# Altium PCB Dart_Controller_PCB.PcbDoc (continued)
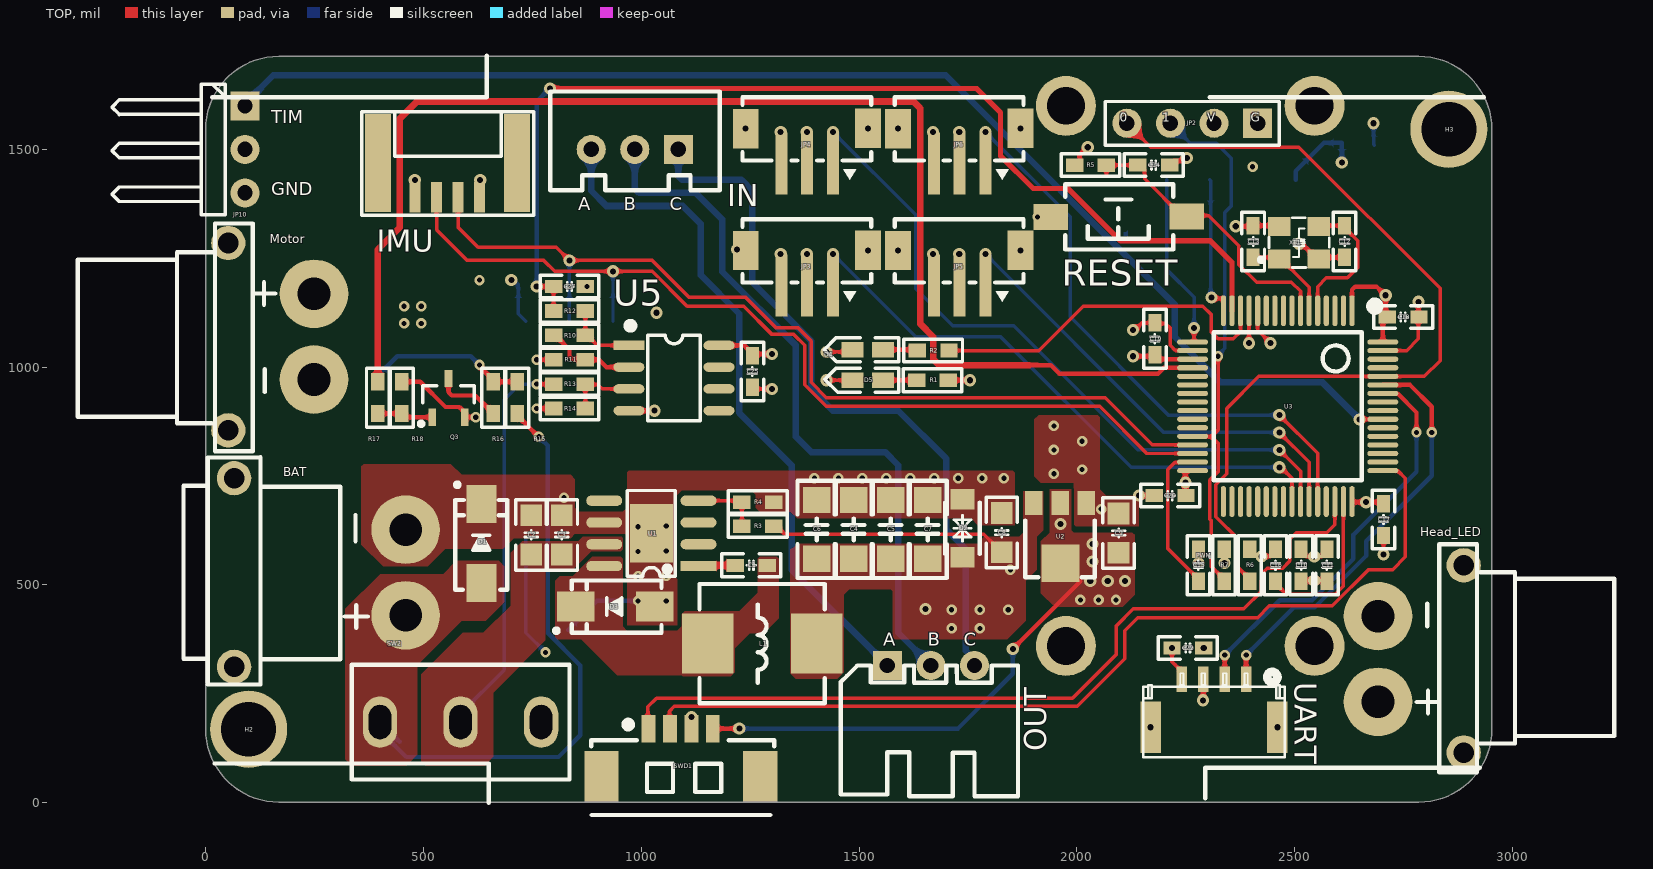
[diagram p0: TOP view]
## Footprints (in the part's own frame and the unit in brackets; to place one, negate y for a bottom-side part, rotate by r counter-clockwise, add the part's x,y. Pads: shape width x height; smd on the part's side, far side on the other; paste and mask are expansions set on the pad) (continued)
SMA [mm] "4.5x2.6*2.2mm（长宽高，不包括引脚）"
  rect 2.2x1.75 smd: 1(-2.3,0) 2(2.3,0)
  silkscreen extent -2.7,-1.52 3.56,1.52, body extent -2.53,-1.3 2.58,1.3, height 2.15
SOD-123FL_L2.8-W1.8-LS3.7-BI [mm]
  rect 1.2x1.4 smd paste+0 mask+0.051: 1(-1.7,0) 2(1.7,0)
  silkscreen extent -1.5,-1 1.5,1, body extent -1.9,-0.8 1.9,0.8, height 1.15
SOP8_N [mm]
  rect 1.8x0.55 smd: 1(-2.625,1.905)
  oval 1.8x0.55 smd: 2(-2.625,0.635) 3(-2.625,-0.635) 4(-2.625,-1.905) 5(2.625,-1.905) 6(2.625,-0.635) 7(2.625,0.635) 8(2.625,1.905)
  silkscreen extent -2.69,-2.5 1.52,3.2, body extent -3,-2.5 3,2.5, height 1.9
SOT23-3L [mm] "3x1.3x1mm(长宽高)    封装库来自淘宝卖家 ID：黄晶宝石"
  rect 0.45x1 smd: 1(-0.95,-1.143) 2(0.95,-1.143) 3(0,1.125)
  silkscreen extent -1.72,-1.65 1.5,0.7, body extent -1.5,-1.2 1.5,1.2, height 1.05
SOT-89 [mil] "封装库来自淘宝卖家 ID：黄晶宝石"
  rect 40x55 smd: 1(-61.82,-0.57) 2(-1.82,-0.57) 3(58.18,-0.57)
  rect 86.61x86.61 smd: 2(-2.76,137.22)
  silkscreen extent -82,39 78,169, body extent -90,-6 87,163, height 59
SW-TH_SS-12D10L5 [mm]
  oval 2x3 hole 1.3 slot 2 at 90 deg paste-2539.97 mask+0.051: 1(-4.7,0) 2(0,0) 3(4.7,0)
  silkscreen extent -6.35,-3.35 6.35,3.35, body extent -6.5,-3.4 6.5,3.4, height 10.1
"TSW SMD-3*6*2.5" [mm] "3*6*2.5mm"
  rect 2x1.5 smd: 1(-3.996,-0.02) 2(3.937,0)
  silkscreen extent -3.21,-1.9 3.09,1.9, body extent -4,-1.88 4,1.62, height 2.59
XH2.54-LI-3P [mm] "接插件，3P  淘宝ID:黄晶宝石   店铺网址:https://shop463601444.taobao.com"
  rect 1.7x1.7 hole 0.9: 1(-2.54,0)
  round 1.7 hole 0.9: 2(0,0) 3(2.54,0)
  silkscreen extent -4.95,-3.38 4.93,2.39, body extent -5.04,-3.3 5.04,2.4, height 7.03
XH2.54-WI-3P [mm] "接插件，3P"
  rect 1.7x1.7 hole 0.9: 1(-2.54,0)
  round 1.7 hole 0.9: 2(0,0) 3(2.54,0)
  silkscreen extent -5.26,-7.62 5.08,0, body extent -5.04,-7.35 5.04,0.35, height 5.73
XT30PW-F [mm]
  round 2 hole 1.2: 0(-5.461,-2.5) 0(5.461,-2.5)
  round 4 hole 1.9: 1(-2.5,2.5) 2(2.5,2.5)
  silkscreen extent -6.6,-11.28 6.68,0.24, body extent -6.62,-11.35 6.68,3.55, height 5
XT30PW-M [mm]
  round 2 hole 1.2: 0(-5.5,-5) 0(5.5,-5)
  round 4 hole 1.9: 1(2.5,5) 2(-2.5,5)
  silkscreen extent -6.73,-7.95 6.53,2.79, body extent -6.65,-7.97 6.65,5.98, height 5
XTAL_3225_4P [mm]
  rect 1.3x1.1 smd: 1(0,0) 2(2.3,0) 3(2.3,1.9) 4(0,1.9)
  silkscreen extent -1.18,-0.5 2.9,2.4, body extent -0.45,-0.29 2.75,2.21, height 0.8
ZH1.5 [mm]
  rect 0.7x3.6 smd paste+0 mask+0.05: 1(-1.391,1.843) 2(0.109,1.843) 3(1.609,1.843)
  rect 1.5x2.3 smd paste+0 mask+0.05: 4(3.701,-0.198) 5(-3.441,-0.207)
  silkscreen extent -3.62,-2.03 3.88,2.8, body extent -3.62,-2.24 3.88,2.96, height 5.1
铜柱孔#1 [mm]
  round 4.5 hole 3.2 mask+0: 1(-0.04,-0.04)
铜柱孔#2 [mm]
  round 4.5 hole 3.2 mask+0: 1(0,0)

## Part data
BAT: library part XT30-PW-M, "公头(立式）"
C1 C10 C11 C12 C13 C14 C15 C16 C17 C18 C19 C20 C22 C23 C24 C25 C26 C27: library part "C 0603", "贴片电容", BOM名称=无极性贴片电容, 淘宝ID="封装库来自淘宝 ID：黄晶宝石", 联系售后=https://shop463601444.taobao.com
C2 C3 C8 C9: library part "C 0805", "贴片电容", BOM名称=无极性贴片电容, 淘宝ID="封装库来自淘宝 ID：黄晶宝石", 联系售后=https://shop463601444.taobao.com
C4 C5 C6 C7: library part "C 1206", "贴片电容", BOM名称=无极性贴片电容, 淘宝ID="封装库来自淘宝 ID：黄晶宝石", 联系售后=https://shop463601444.taobao.com
D1 D2: "双向瞬态电压抑制二极管"
D3: "肖特基二极管", BOM名称=肖特基二极管, 学习资源=https://shop463601444.taobao.com
D4: library part LED_G_1, "发光二极管", LatestRevisionDate=08-Jul-2005, LatestRevisionNote="Mech Layer 1 removed.", PackageReference=LED-0, Published=8-Jun-2000, Publisher="Altium Limited"
D5: library part LED_B_1, "发光二极管", LatestRevisionDate=08-Jul-2005, LatestRevisionNote="Mech Layer 1 removed.", PackageReference=LED-0, Published=8-Jun-2000, Publisher="Altium Limited"
H2 H3: library part 铜柱孔
Head_LED Motor: library part XT30-PW-F, "母头（卧式）"
IMU: "GH1,25_4P"
IN: library part "Header 3_1", "3P接插件", BOM名称=3P接插件, 学习资源=https://shop463601444.taobao.com, 版权归属="封装库来自淘宝 ID：黄晶宝石"
JP2: "Header, 4-Pin", LatestRevisionDate=17-Jul-2002, LatestRevisionNote="Re-released for DXP Platform.", Publisher="Altium Limited"
JP3 JP4 JP5 JP6: JLCPCB Part Class="Extended Part", Manufacturer=HCTL(华灿天禄), Manufacturer Part=HC-ZH-3PLT, Contributor=LCSC, spicePre=C, spiceSymbolName=HC-ZH-3PLT, Supplier=LCSC, Supplier Part=C2845434
JP10: library part "Header 3_3", "3P接插件", BOM名称=3P接插件, 学习资源=https://shop463601444.taobao.com, 版权归属="封装库来自淘宝 ID：黄晶宝石"
L1: "功率电感"
OUT: library part "Header 3", "3P接插件", BOM名称=3P接插件, 学习资源=https://shop463601444.taobao.com, 版权归属="封装库来自淘宝 ID：黄晶宝石"
Q2: "P沟道场效应管"
Q3: library part SS8050-SMD, "高频放大-NPN型", BOM名称=高频放大-NPN型, 属性="40V 1.5A 1W 100MHZ", 版权归属="封装库来自淘宝 ID：黄晶宝石", 联系售后=https://shop463601444.taobao.com
R1 R2 R3 R4 R5 R6 R7 R10 R11 R12 R13 R14 R15 R16 R17 R18: library part "R 0603", "贴片电阻", BOM名称=贴片电阻, 版权归属="来自淘宝 ID：黄晶宝石", 联系售后=https://shop463601444.taobao.com
Radio: "无线电-匿名数传"
RESET: library part "TSW 3x6", "3x6轻触开关", BOM名称=3x6轻触开关, 学习资源=www.ooocke.com, 版权归属="封装库来自淘宝 ID：黄晶宝石"
SW2: "滑动开关", Manufacturer="XKB Connectivity(中国星坤)", Contributor=LCSC, Manufacturer Part=SS-12D10L5, spicePre=S, spiceSymbolName=SS-12D10L5, Supplier=LCSC, Supplier Part=C319012
SWD1: "4P"
U1: "降压芯片"
U2: library part AMS1117-3.3V(SOT-89), "LDO", BOM名称=稳压芯片, 欢迎光临淘宝店铺=https://shop463601444.taobao.com, 淘宝ID="封装库来自淘宝 ID：黄晶宝石"
U3: "ARM Cortex-M4 32-bit MCU+FPU, 210 DMIPS, 1024 kB Flash, 192 kB Internal RAM, 51 I/Os, 64-pin LQFP, -40 to 85 degC, Tray", I/Os (High Current)=51, Manufacturer=STMicroelectronics, Operating Frequency(F) (Processor speed) (MHz)=168, Supplier Part Number 1=497-11767-ND, Supply Voltage(Vcc) max (V)=3.6, Supply Voltage(Vcc) min (V)=1.8, ComponentLink1Description="Manufacturer URL", ComponentLink1URL=http://www.st.com/web/en/home.html, ComponentLink2Description=Datasheet, ComponentLink2URL=http://www.st.com/st-web-ui/static/active/en/resource/technical/document/datasheet/DM00037051.pdf, ComponentLink3Description="Package Specification", ComponentLink3URL=http://www.st.com/st-web-ui/static/active/en/resource/technical/document/datasheet/DM00037051.pdf, Core="ARM Cortex-M4", D/A Converter=2x12-bit, DatasheetVersion="Rev. 4", FLASH Size (Prog) (kB)=1024, Internal RAM Size (kB)=192, Mounting Technology="Surface Mount", PackageDescription="64-Pin Low Profile Quad Flat Package, 10 x 10 mm Body, 0.5 mm Pitch", PackageReference=LQFP64, PackageVersion="Rev. 4, 06/2013", Packing=Tray, PartNumber=STM32F405RGT6, Supplier 1=Digi-Key, Supplier 2=Farnell, Supplier 3=Newark, Supplier 4=Mouser, Supplier Part Number 2=2064363, Supplier Part Number 3=73T2329, Supplier Part Number 4=511-STM32F405RGT6
U4: library part IMU
U5: "运算放大器", JLCPCB Part Class="Extended Part", Manufacturer=TI(德州仪器), Manufacturer Part=OPA365AIDBVR, Contributor=LCSC, spicePre=U, spiceSymbolName=OPA365AIDBVR, Supplier=LCSC, Supplier Part=C96626
UART: JLCPCB Part Class="Extended Part", Manufacturer=XUNPU(讯普), Manufacturer Part=WAFER-GH1.25-4PLB, Contributor=lcsc, spicePre=U, spiceSymbolName=WAFER-GH1.25-4PLB, Supplier=LCSC, Supplier Part=C3029370
XT1: library part X322512MSB4SI, "无源晶振/外接20pf负载电容"

## Free pads (board coordinates)
  round 137.8 hole 86.61 mask+0: 1(1975,359.84) 1(1975,1600) 1(2545.87,359.84) 1(2545.87,1600)

## Via types
v1: diameter 28, hole 14, TOP to BOTTOM, tented both sides, 77 vias
v2: diameter 24, hole 12, TOP to BOTTOM, tented both sides, 53 vias

## Nets (pads, with @x,y where several pads share a name; then routed paths per layer and width w, separated by ;. In a path a pad name is that pad's centre, name@x,y a point inside that pad or via, vN(x,y) a via of type N, cw(c..) or ccw(c..) an arc to the next point about the centre after c; other vN are vias at no path point)
BAT_V_ADC: C27.2 R12.2 U3.15 | length 2463.3
  TOP w8: v1(760,1185) C27.2 R12.2
  TOP w12: v1(790,1640) 1770,1640 1825,1585 1825,1485 1900,1410 1980,1410 2100,1290 2306.93,1290 2356.26,1240.67 U3.15
  BOTTOM w10: v1(760,1185) 760,1610 v1(790,1640)
BOOT0: JP2.4 R6.2 U3.60 | length 2017
  TOP w8: JP2.4 2170,1505 2510,1505 2834.21,1180.79 2834.21,1015 2798.11,978.9 U3.60 2418.11,978.9 2344.21,905 2344.21,755.31 2319.21,730.31 2319.21,656.84 2370,606.05 2370,539.96 2397.21,512.75 R6.2 R6.2@2397.09,508.62
BOOT1: JP2.3 R7.2 U3.28 | length 1235.1
  TOP w8: U3.28 2266.44,840.37 2308.84,840.37 ; v2(2324.21,1025) 2324.21,855.75 2308.84,840.37 ; R7.2 2338.21,512.75 2309.21,541.75 2309.21,647.04 2305.21,651.04 2305.21,740.8 2309.21,744.8 2309.21,745 2324.21,760 2324.21,825 2308.84,840.37
  BOTTOM w8: JP2.3 2260.64,1514.36 2320.64,1514.36 2355,1480 2355,1370 2340,1355 2340,1043.15 2324.21,1027.37 v2(2324.21,1025)
GND: BAT.2 C2.1 C3.1 C4.1 C5.1 C6.1 C7.1 C8.1 C9.1 C10.1 C11.1 C12.2 C13.2 C14.1 C15.2 C16.2 C17.1 C18.1 C19.1 C20.1 C22.2 C23.1 C24.2 C25.1 C26.2 C27.1 D1.2 D2.2 D3.1 D4.K D5.K H2.1 H3.1 Head_LED.2 IMU.4 JP2.1 JP3.3 JP3.4 JP3.5 JP4.3 JP4.4 JP4.5 JP5.3 JP5.4 JP5.5 JP6.3 JP6.4 JP6.5 JP10.3 Motor.2 pad.1 Q3.2 R4.1 R6.1 R7.1 R11.1 R14.1 R18.2 Radio.2 RESET.2 SWD1.3 U1.6 U1.9 U2.1 U3.12 U3.18 U3.63 U4.5 U4.8 U5.4 UART.3 UART.5 UART.6 XT1.2 XT1.4 | length 1764.9
  TOP w8: v2(760,1017) R11.1 ; JP3.4 JP3.4@1240.04,1268.3 ; C25.1 1258.5,950 v1(1300,950) ; v1(1425,970) D4.K ; v1(1425,1035) 1480,1035 D5.K ; v1(2129.21,1085) 2132.98,1085 2149.48,1101.5 C19.1 2180.71,1100 2204.21,1100 2214.21,1090 2214.21,1050 2225.53,1038.68 2264.98,1038.68 U3.18 ; v1(2142.5,705) C20.1 ; v1(2290,235) 2290.2,235.2 2290.2,283.23 UART.3 ; R6.1 2397.21,577.25 2408.96,565.5 2423.71,565.5 v1(2424.21,565) 2424.71,565.5 2445.21,565.5 2456.21,576.5 C16.2 ; U3.12 2415.32,1084.68 v1(2445,1055) ; C10.1 2515.21,576.5 2526.21,565.5 2544.5,565.5 v1(2545,565) 2545.5,565.5 2563.21,565.5 2574.21,576.5 C11.1 ; U3.63 2757.17,1037.95 2784.21,1065 2784.21,1113.5 C18.1 2784.21,1116.5 v1(2784.21,1150) ; v1(2704.21,570) C17.1
  TOP w10: R18.2 492.44,966.5 550.44,908.5 582.13,908.5 594.8,895.83 Q3.2 v2(620,885) ; v2(760,905) R14.1 ; U5.4 v1(1030,900) ; C14.1 2223,1473.79 2241.23,1473.79 2247.44,1480 v1(2252.31,1480) ; v1(2364.94,1323.44) 2403.44,1323.44 C13.2 2463.24,1324.94 XT1.4 ; v1(2509.94,1283.44) 2513.39,1280 2520,1280 2551.56,1248.44 2555.06,1251.94 C12.2
  BOTTOM w8: v1(2681.5,1560) 2681.5,1511.5 C26.2@2683,1510
  BOTTOM w10: C23.1 898.33,463.33 v2(992.5,463.33)
  other v1: 2169.33,173.19 2460.67,173.19 1115,197 2291.5,355 2279.21,550 2339.21,550 1035,1125 1320,1260 1670,1260 1520.71,1268.15 1589.3,1267.8 1870.47,1268.15 1220,1270 480,1430 1320,1540 1670,1540 1239.54,1547.8 1520.71,1548.15 1589.3,1547.8 1870.47,1548.15
  other v2: 1057.5,463.33 992.5,520 1057.5,520.56 992.5,576.67 1057.5,577.78 992.5,633.33 1057.5,635 2055.91,674.07 822.5,700 1397.5,745 1452.5,745 1507.5,745 1562.5,745 1617.5,745 1672.5,745 1727.5,745 1782.5,745 1832.5,745 1947.5,755 2012.17,765 1947.5,810 2012.17,830 1947.5,865 875,1185 628.5,1200 1910,1345 2403.44,1460
LED: R2.2 U3.14 | length 820.9
  TOP w8: R2.2 1913,1038 2015,1140 2289.21,1140 2309.21,1120 2309.21,1080 2324.21,1065 2359.21,1065 2375.95,1081.73 U3.14
Motor_Power_Ctrl: R17.2 U3.20 | length 3046.1
  TOP w10: 1890.34,1004.66 1940.34,1004.66 1960,985 2186.27,985 2199.85,998.58 U3.20
  TOP w15: R17.2 395,1270 445,1320 445,1570 485,1610 1625,1610 1640,1595 1640,1100 1670,1070 1670,1018.47 1683.82,1004.66 1890.34,1004.66
NetC1_1: C1.1 D3.2 L1.1 U1.8
NetC1_2: C1.2 U1.1 | length 85.3
  TOP w15: U1.1 1133.05,545 C1.2
NetC12_1: C12.1 U3.5 XT1.3 | length 334.4
  TOP w8: U3.5 2553.11,1185 2573.11,1205 2621.5,1205 2644.94,1228.44 2644.94,1289.94 2614.94,1319.94 C12.1 2557.19,1324.94 XT1.3
NetC13_1: C13.1 U3.6 XT1.1 | length 211.1
  TOP w8: C13.1 2465.38,1251.94 2533.43,1183.9 U3.6
NetC15_1: C15.1 U3.31 | length 349.1
  TOP w8: U3.31 2264.98,781.32 2225.53,781.32 2209.21,765 2209.21,583.5 2279.21,513.5 C15.1
NetC16_1: C16.1 U3.47 | length 373.3
  TOP w8: C16.1 2456.21,503.5 2481.21,478.5 2593.35,478.5 2612.17,497.31 U3.47
NetD4_A: D4.A R1.1 | length 77
  TOP w10: D4.A R1.1
NetD5_A: D5.A R2.1 | length 79.3
  TOP w10: D5.A 1631.5,1040 R2.1
NetIN_1: IN.1 OUT.3 | length 1631
  BOTTOM w15: IN.1 1085,1438.79 1093.79,1430 1230,1430 ; 1232.36,1427.64 1255,1405 1255,1195 1390,1060 1390,950 1440,900 1590,900 1700,790 1700,627.5 1745,582.5 1745,349.05 1765,329.05 OUT.3
NetIN_2: IN.2 OUT.2 | length 1642.4
  BOTTOM w15: IN.2 985,1410 995,1400 1125,1400 1185.97,1339.03 1185.97,1219.03 1355,1050 1355,840 1390,805 1560,805 1590,775 1590,390 OUT.2
NetIN_3: IN.3 OUT.1 | length 1569.2
  BOTTOM w15: IN.3 885,1405 920,1370 1095,1370 1136.28,1328.72 1136.28,1211.4 1225,1122.67 1225,895 1345,775 1345,535 OUT.1
NetQ2_G: Q2.G R15.1 R16.2 | length 369.9
  TOP w10: v2(628.5,1005) 628.5,1002.25 660,970.75 R16.2 R15.1
  BOTTOM w10: Q2.G 400,985.55 439.45,1025 608.5,1025 v2(628.5,1005)
NetQ3_1: Q3.1 R17.1 R18.1 | length 128.5
  TOP w10: R17.1 R18.1 458.5,885 Q3.1
NetQ3_3: Q3.3 R16.1 | length 157.1
  TOP w10: Q3.3 557.4,942.6 565,935 618.5,935 645,908.5 649.25,908.5 660,897.75 R16.1
NetR3_1: R3.1 R4.2 U1.4 | length 156
  TOP w8: U1.4 1227.69,693.31 R4.2 R3.1
NetR10_1: R10.1 R11.2 U5.2 | length 212.6
  TOP w10: R10.1 802.75,1073 835,1040.75 835,1025 840.86,1019.14 869.36,1019.14 R11.2 903,1017 920,1000 U5.2
NetR10_2: R10.2 R12.1 U5.1 | length 165.7
  TOP w8: R12.1 R10.2 875.75,1073 898.75,1050 U5.1
NetR13_2: R13.2 R14.2 U5.3 | length 160.7
  TOP w8: R14.2 R13.2 872.5,960 900,960 910,950 U5.3
RESET: C14.2 R5.1 RESET.1 U3.7 | length 647.4
  TOP w8: R5.1 C14.2 2145,1463.79 2156,1452.79 2156,1432.26 2240.26,1348 2302.71,1348 2372.26,1278.45 2372.26,1235.48 2412.74,1195 2492.58,1195 2513.74,1173.84 U3.7
SWCLK: SWD1.2 U3.49 | length 2152.9
  TOP w8: SWD1.2@1064.85,170.65 1064.85,209.85 1076,221 2001,221 2110,330 2110,395 2140,425 2415,425 2441.78,451.78 2586.43,451.78 2669.65,535 2725,535 2754.21,564.21 2754.21,745 2737.58,761.63 2703.45,761.63 U3.49
SWDIO: SWD1.1 U3.46 | length 1944.4
  TOP w8: SWD1.1@1015.64,170.65 1015,171.29 1015,220 1035,240 1990,240 2090,340 2090,405 2130,445 2383.6,445 2422.96,484.36 2422.96,508.75 2424.21,510 2424.21,525.64 2437.07,538.5 2472.71,538.5 2489.21,555 2489.21,605 2504.21,620 2574.21,620 2592.48,638.27 U3.46
TIM1_CH1: JP3.1 U3.41 | length 1393.5
  TOP w8: JP3.1 v1(1440,1260) ; v1(2465,770) 2469.21,770 2494.06,745.16 U3.41
  BOTTOM w8: v1(1440,1260) 1630,1070 1824.8,1070 2124.8,770 v1(2465,770)
TIM1_CH2: JP4.1 U3.42 | length 1638.2
  TOP w8: JP4.1 v1(1440,1540) ; v1(2465,810) 2513.74,761.26 U3.42
  BOTTOM w8: v1(1440,1540) 1630,1350 1630,1180 1715,1095 1855,1095 2140,810 v1(2465,810)
TIM1_CH3: JP5.1 U3.43 | length 1031.7
  TOP w8: v1(2465,850) 2533.43,781.57 U3.43
  BOTTOM w8: v1(1790,1260) 2200,850 v1(2465,850)
TIM1_CH4: JP6.1 U3.44 | length 1386.5
  TOP w8: JP6.1 1789.76,1539.76 v1(1790,1540) ; v1(2465,890) 2553.11,801.89 U3.44
  BOTTOM w8: v1(1790,1540) 1985,1345 1985,1115.3 2210.3,890 v1(2465,890)
TIM2_CH2: JP10.1 U3.55 | length 3010.3
  TOP w8: v1(2649.21,880) 2649.45,880.24 2702.48,880.24 U3.55
  BOTTOM w15: JP10.1@90,1605 155,1670 1698.89,1670 2225,1143.89 2225,1070 2330,965 2564.21,965 v1(2649.21,880)
UART1_RX: U3.59 UART.1 | length 963.2
  TOP w10: UART.1 v2(2388.82,338.82) ; U3.59 2765,959.21 2815,909.21 v2(2815,850)
  BOTTOM w10: v2(2388.82,338.82) 2499,449 2546.63,449 2664.21,566.59 2664.21,600 2815,750.79 v2(2815,850)
UART1_TX: U3.58 UART.2 | length 933.8
  TOP w10: UART.2 v2(2339.61,338.82) ; U3.58 2703.06,939.18 2736.81,939.18 2780,895.99 v2(2780,850)
  BOTTOM w10: v2(2339.61,338.82) 2465.79,465 2540,465 2635,560 2635,615 2780,760 v2(2780,850)
UART2_RX: Radio.4 U3.17 | length 400.6
  TOP w8: U3.17 2267.45,1057.64 2269.21,1059.4 v1(2269.21,1090)
  BOTTOM w8: Radio.4 2207.04,1222.96 2269.21,1160.79 v1(2269.21,1090)
UART2_TX: Radio.3 U3.16 | length 328.3
  TOP w8: v1(2309.21,1160) 2311.7,1157.52 2334.81,1157.52 2336.58,1155.76 U3.16
  BOTTOM w8: Radio.3 2307.34,1428.13 2307.34,1161.87 v1(2309.21,1160) v1@2310.21,1161
UART3_RX: IMU.3 U3.30 U4.4 | length 2191
  TOP w8: IMU.3 530,1315 600,1245 775.88,1245 800.88,1220 v1(935,1220) 1025,1220 1105,1140 1235,1140 1300,1075 1350,1075 1375,1050 1375,960 1425,910 2052.5,910 2160.77,801.73 U3.30
  BOTTOM w8: U4.4 v1(935,1220)
UART3_TX: IMU.2 U3.29 U4.3 | length 2158.2
  TOP w8: IMU.2 579.21,1320.79 625,1275 805,1275 v1(835,1245) 1025,1245 1110,1160 1240.04,1160 1310.04,1090 1360,1090 1390,1060 1390,965 1425,930 2065,930 2173.58,821.42 U3.29
  BOTTOM w8: U4.3 v1(835,1245)
VBAT: BAT.1 D1.1 Q2.S R15.2 SW2.1 | length 1345.7
  TOP w10: R15.2 715,889.25 764.25,840 v2(765,840)
  BOTTOM w10: SW2.1 399.92,165.32 460.24,105 810,105 860,155 860,315 785,390 785,820 v2(765,840) ; SW2.1@430,155 445,140
VBAT_IN: C2.2 C3.2 R13.1 SW2.2 U1.7 | length 910.1
  TOP w8: v2(760,961) R13.1
  BOTTOM w8: SW2.2 584.96,204.68 685,304.72 685,925.5 720.5,961 v2(760,961)
VBAT_Motor: Motor.1 Q2.D
  other v2: 455.31,1100.32 494.68,1100.32 455.31,1139.69 494.68,1139.69
VCC_3V3: C9.2 C10.2 C11.2 C17.2 C18.2 C19.2 C20.2 C25.2 JP2.2 R1.2 R5.2 SWD1.4 U2.2 U3.1 U3.13 U3.19 U3.32 U3.48 U3.64 U5.8 | length 1924.4
  TOP w8: v1(2395,1055) 2395.32,1055.32 2395.32,1129.19 U3.13
  TOP w10: SWD1.4 v1(1225,170) ; U5.8 1236.5,1050 C25.2@1255,1031.5 ; C25.2 1258.5,1030 v1(1300,1030) ; R1.2 v1(1755,970) ; v1(1853.04,353.04) 2008.24,508.24 ; R5.2 1995.66,1463.79 2006.41,1474.54 2006.41,1486.41 v1(2025,1505) ; v1(2129.21,1025) 2175.71,1025 2182.45,1018.27 U3.19 ; C20.2 2249.21,706.5 v1(2249.21,735) 2249.21,761.53 2250.05,762.36 U3.32 ; C10.2 2516.71,510 v1(2545,510) ; v1@2546.5,508.5 2548,510 2572.71,510 C11.2 ; U3.48 2631.85,690.84 2632.69,690 v1(2664.21,690) 2700.71,690 C17.2 ; U3.1 2631.85,1177.64 2639.21,1185 2688.2,1185 2708.2,1165 v1(2709.21,1165) 2709.21,1118.5 C18.2 2702.72,1105 U3.64
  BOTTOM w10: v1(1225,170) 1727.18,170 1853.04,295.86 v1(1853.04,353.04)
  other v1: 2030.91,509.07 2070.91,509.07 2110.91,509.07 2035.91,554.07 2035.91,594.07 1962.5,640
  other v2: 2008.24,465.62 2050,465.62 2090,465.62
VCC_5V: C4.2 C5.2 C6.2 C7.2 C8.2 C22.1 C23.2 C24.1 C26.1 D2.1 Head_LED.1 IMU.1 JP3.2 JP4.2 JP5.2 JP6.2 L1.2 R3.2 Radio.1 U2.3 U4.2 U4.11 UART.4 | length 1217.7
  TOP w8: R3.2 1315.75,623.25 1322.81,623.25 1330,616.07 1786.43,616.07 C8.2 ; v1(2218.5,355) 2218.5,323.82 2241.18,301.14 UART.4
  BOTTOM w8: v1(701.5,1200) 706.5,1200 717.5,1189 717.5,1122.5 U4.2 ; U4.11 735,390 v2(780,345)
  BOTTOM w10: Radio.1 2502.31,1449.68 2567.63,1515 C26.1 v1(2608.5,1470)
  other v1: 1652.5,445 1380,1260 1730,1260 630,1430 1380,1540 1730,1540
  other v2: 1712.5,400 1777.5,400 1712.5,443 1777.5,443 1842.5,443 1847.5,535
pads on no net: BAT.0 Head_LED.0 IMU.5 IMU.6 JP10.2 Motor.0 Radio.5 Radio.6 Radio.7 Radio.8 SW2.3 SWD1.0 U1.2 U1.3 U1.5 U1.10 U1.11 U3.2 U3.3 U3.4 U3.8 U3.9 U3.10 U3.11 U3.21 U3.22 U3.23 U3.24 U3.25 U3.26 U3.27 U3.33 U3.34 U3.35 U3.36 U3.37 U3.38 U3.39 U3.40 U3.45 U3.50 U3.51 U3.52 U3.53 U3.54 U3.56 U3.57 U3.61 U3.62 U4.1 U4.6 U4.7 U4.9 U4.10 U4.12 U5.5 U5.6 U5.7

## Polygon pours and split planes (outlines as drawn)
VBAT on BOTTOM "VBAT_L04_P014" (solid, pour order 14): 410,930 360,930 300,870 210,870 120,780 120,275 130,265 285,265 310,240 310,100 325,85 475,85 490,100 490,295 565,370 565,485 530,520 415,520 370,565 370,680 415,725 515,725 570,780 570,1000 565,1005 440,1005 430,995 430,950
VBAT_Motor on BOTTOM "VBAT_MOTOR_L04_P015" (solid, pour order 15): 565,1255 585,1235 585,1050 580,1045 380,1045 375,1050 375,1060 350,1085 180,1085 165,1100 165,1235 185,1255
VBAT_IN on TOP "VBAT_IN_L01_P001" (solid, pour order 1): 495,95 495,295 590,390 637.5,390 700,452.5 700,573.31 726.69,600 855,600 865,610 954.59,610 957.09,607.5 957.09,582.37 952.5,577.78 885.28,577.78 842.5,535 780,535 780,372.5 660,252.5 660,105 640,85 505,85
GND on TOP "TOP-GND 1" (solid, pour order 18): 1992.5,640 1997.5,635 2142.5,635 2142.5,705 2067.5,705 2052.5,720 2052.5,885 2047.5,890 1992.5,890 1912.5,890 1902.5,880 1902.5,750 1917.5,735 1992.5,735
NetC1_1 on TOP "NETC1_1_L01_P003" (solid, pour order 3): 957.09,405 967.09,395 1082.5,395 1092.5,405 1092.5,432.5 1100,440 1225,440 1267.5,482.5 1267.5,560 1272.5,565 1310.75,565 1315.75,560 1315.75,423.25 1281.25,388.75 1248.75,388.75 1215,355 1215,300 1205,290 1095,290 1092.5,292.5 945,292.5 862.5,375 807.5,375 802.5,380 802.5,510 812.5,520 842.5,520 887.5,565 952.5,565 957.5,560 957.5,476.39 957.09,475.97
GND on TOP "TOP-GND" (solid, pour order 8): 971.65,762.5 967.5,758.35 967.5,677.5 957.5,667.5 857.5,667.5 847.5,677.5 847.5,742.5 837.5,752.5 587.5,752.5 562.5,777.5 362.5,777.5 357.5,772.5 357.5,592.5 407.5,542.5 510,542.5 550,582.5 682.5,582.5 707.5,607.5 837.5,607.5 847.5,617.5 962.5,617.5 967.5,612.5 967.5,407.5 1082.5,407.5 1082.5,512.5 1077.5,517.5 1077.5,702.5 1092.5,717.5 1252.5,717.5 1262.5,707.5 1262.5,677.5 1272.5,667.5 1342.5,667.5 1357.5,652.5 1757.5,652.5 1772.5,637.5 1857.5,637.5 1857.5,757.5 1852.5,762.5
VCC_5V on TOP "VCC_5V_L01_P006" (solid, pour order 6): 1362.5,595 1772.5,595 1787.5,610 1867.5,610 1877.5,620 1877.5,715 1922.5,715 1922.5,625 1907.5,610 1907.5,535 1882.5,510 1882.5,417.5 1840,375 1582.5,375 1577.5,380 1577.5,485 1572.5,490 1477.5,490 1465,477.5 1465,300 1450,285 1355,285 1342.5,297.5 1342.5,581.67
VCC_3V3 on TOP "VCC_3V3_L01_P009" (solid, pour order 9): 1937.5,720 1987.5,720 1987.5,625 1992.5,620 2127.5,620 2132.5,615 2132.5,477.5 2105,450 1948.75,450 1917.5,481.25 1917.5,600 1937.5,620
VBAT on TOP "VBAT_L01_P000" (solid, pour order 0): 545,525 575,555 672.5,555 685,542.5 685,460 642.5,417.5 587.5,417.5 485,315 485,110 460,85 335,85 320,100 320,445 400,525
VCC_3V3 on PWR03 (split plane): 2514.9,1390 2515.29,1388.05 2516.4,1386.4 2518.05,1385.29 2520,1384.9 2739.9,1384.9 2739.9,440.1 1902.6,440.1 1902.6,635 1902.21,636.95 1901.1,638.6 1899.45,639.71 1897.5,640.1 1347.6,640.1 1347.6,822.5 1347.21,824.45 1346.1,826.11 1344.45,827.21 1342.5,827.6 1115.1,827.6 1115.1,1069.9 1995,1069.9 1996.95,1070.29 1998.6,1071.4 1999.71,1073.05 2000.1,1075 2000.1,1693.6 2514.9,1693.6
VCC_5V on PWR03 (split plane): 167.32,1693.6 1989.9,1693.6 1989.9,1080.1 1110,1080.1 1108.05,1079.71 1106.4,1078.6 1105.29,1076.95 1104.9,1075 1104.9,822.5 1105.29,820.55 1106.4,818.9 1108.05,817.79 1110,817.4 1337.4,817.4 1337.4,635 1337.79,633.05 1338.89,631.4 1340.55,630.29 1342.5,629.9 1892.4,629.9 1892.4,435 1892.79,433.05 1893.89,431.4 1895.55,430.29 1897.5,429.9 2745,429.9 2746.95,430.29 2748.6,431.4 2749.71,433.05 2750.1,435 2750.1,1390 2749.71,1391.95 2748.6,1393.6 2746.95,1394.71 2745,1395.1 2525.1,1395.1 2525.1,1693.6 2785.43,1693.6 2786.11,1693.67 2795.94,1693.32 2806.4,1692.2 2816.75,1690.33 2826.94,1687.73 2836.91,1684.41 2846.63,1680.38 2856.03,1675.67 2865.08,1670.31 2873.72,1664.31 2881.9,1657.71 2889.6,1650.55 2896.77,1642.85 2903.37,1634.66 2909.36,1626.02 2914.73,1616.98 2919.44,1607.58 2923.46,1597.86 2926.78,1587.88 2929.38,1577.69 2931.25,1567.34 2932.37,1556.89 2932.73,1547.05 2932.66,1546.38 2932.66,168.43 2932.73,167.75 2932.37,157.92 2931.25,147.46 2929.38,137.11 2926.78,126.92 2923.46,116.94 2919.44,107.23 2914.73,97.82 2909.36,88.78 2903.37,80.14 2896.77,71.95 2889.6,64.26 2881.9,57.09 2873.72,50.49 2865.08,44.49 2856.03,39.13 2846.63,34.42 2836.91,30.4 2826.94,27.08 2816.75,24.48 2806.4,22.61 2795.94,21.48 2786.11,21.13 2785.43,21.2 167.32,21.2 166.63,21.13 156.73,21.48 146.27,22.61 135.91,24.48 125.72,27.08 115.73,30.4 106.01,34.43 96.61,39.14 87.56,44.51 78.91,50.51 70.72,57.11 63.02,64.28 55.85,71.98 49.25,80.17 43.25,88.82 37.88,97.86 33.17,107.27 29.14,116.99 25.82,126.98 23.22,137.17 21.35,147.53 20.22,157.99 19.92,166.6 20.1,168.43 20.1,1546.38 19.92,1548.21 20.22,1556.81 21.35,1567.28 23.22,1577.63 25.82,1587.83 29.14,1597.81 33.17,1607.53 37.88,1616.94 43.25,1625.99 49.25,1634.63 55.85,1642.82 63.02,1650.52 70.72,1657.69 78.91,1664.3 87.56,1670.3 96.6,1675.67 106.01,1680.37 115.73,1684.4 125.72,1687.72 135.91,1690.33 146.27,1692.19 156.73,1693.32 166.63,1693.67
GND on GND02 (split plane): 167.32,1693.6 2785.43,1693.6 2786.11,1693.67 2795.94,1693.32 2806.4,1692.2 2816.75,1690.33 2826.94,1687.73 2836.91,1684.41 2846.63,1680.38 2856.03,1675.67 2865.08,1670.31 2873.72,1664.31 2881.9,1657.71 2889.6,1650.55 2896.77,1642.85 2903.37,1634.66 2909.36,1626.02 2914.73,1616.98 2919.44,1607.58 2923.46,1597.86 2926.78,1587.88 2929.38,1577.69 2931.25,1567.34 2932.37,1556.89 2932.73,1547.05 2932.66,1546.38 2932.66,168.43 2932.73,167.75 2932.37,157.92 2931.25,147.46 2929.38,137.11 2926.78,126.92 2923.46,116.94 2919.44,107.23 2914.73,97.82 2909.36,88.78 2903.37,80.14 2896.77,71.95 2889.6,64.26 2881.9,57.09 2873.72,50.49 2865.08,44.49 2856.03,39.13 2846.63,34.42 2836.91,30.4 2826.94,27.08 2816.75,24.48 2806.4,22.61 2795.94,21.48 2786.11,21.13 2785.43,21.2 167.32,21.2 166.63,21.13 156.73,21.48 146.27,22.61 135.91,24.48 125.72,27.08 115.73,30.4 106.01,34.43 96.61,39.14 87.56,44.51 78.91,50.51 70.72,57.11 63.02,64.28 55.85,71.98 49.25,80.17 43.25,88.82 37.88,97.86 33.17,107.27 29.14,116.99 25.82,126.98 23.22,137.17 21.35,147.53 20.22,157.99 19.92,166.6 20.1,168.43 20.1,1546.38 19.92,1548.21 20.22,1556.81 21.35,1567.28 23.22,1577.63 25.82,1587.83 29.14,1597.81 33.17,1607.53 37.88,1616.94 43.25,1625.99 49.25,1634.63 55.85,1642.82 63.02,1650.52 70.72,1657.69 78.91,1664.3 87.56,1670.3 96.6,1675.67 106.01,1680.37 115.73,1684.4 125.72,1687.72 135.91,1690.33 146.27,1692.19 156.73,1693.32 166.63,1693.67

## Other copper
PWR03 (plane layer: these items are gaps in the copper):
  lines w10: 1995,1710 1995,1075 1110,1075 1110,822.5 1342.5,822.5 1342.5,635 1897.5,635 1897.5,435 2745,435 2745,1390 2520,1390 2520,1715

## Silkscreen, mask and mechanical layers (free items; w line width, h text height)
Top Overlay:
  lines w10: 15,1620 644.92,1620 644.92,1715 ; 20,90 649.92,90 649.92,0 ; 2295,10 2295,80 2924.92,80 ; 2305,1620 2934.92,1620
  text "0" at 2099,1564 h20
  text "1" at 2196,1564 h20
  text "V" at 2299,1564 h20
  text "G" at 2399,1564 h20
  text "TIM" at 150,1560 h30
  text "GND" at 150,1395 h30
  text "A" at 855,1360 h30
  text "B" at 960,1360 h30
  text "C" at 1065,1360 h30
  text "PWM" at 2273.71,562 h10
  text "A" at 1555,360 h30
  text "B" at 1657.5,360 h30
  text "C" at 1740,360 h30
Bottom Overlay:
  text "5V" at 733,1177 h10
  text "RX" at 833,1177 h10
  text "TX" at 933,1177 h10
  text "GND" at 1053,1177 h10
Mechanical 1:
  lines w10: -0.16,168.43 ccw(c167.24,168.5) 167.32,1.1 2785.43,1.1 ccw(c2785.43,168.43) 2952.76,168.43 2952.76,1546.38 ccw(c2785.43,1546.38) 2785.43,1713.7 167.32,1713.7 ccw(c167.24,1546.3) -0.16,1546.38 ; 0,168.43 0,1546.38

## Dimensions
0,1546.38 to 2952.76,1546.38 on Mechanical 1
167.32,1713.7 to 167.32,1.1 on Mechanical 1